# KiCad board V1.2.kicad_pcb (continued)
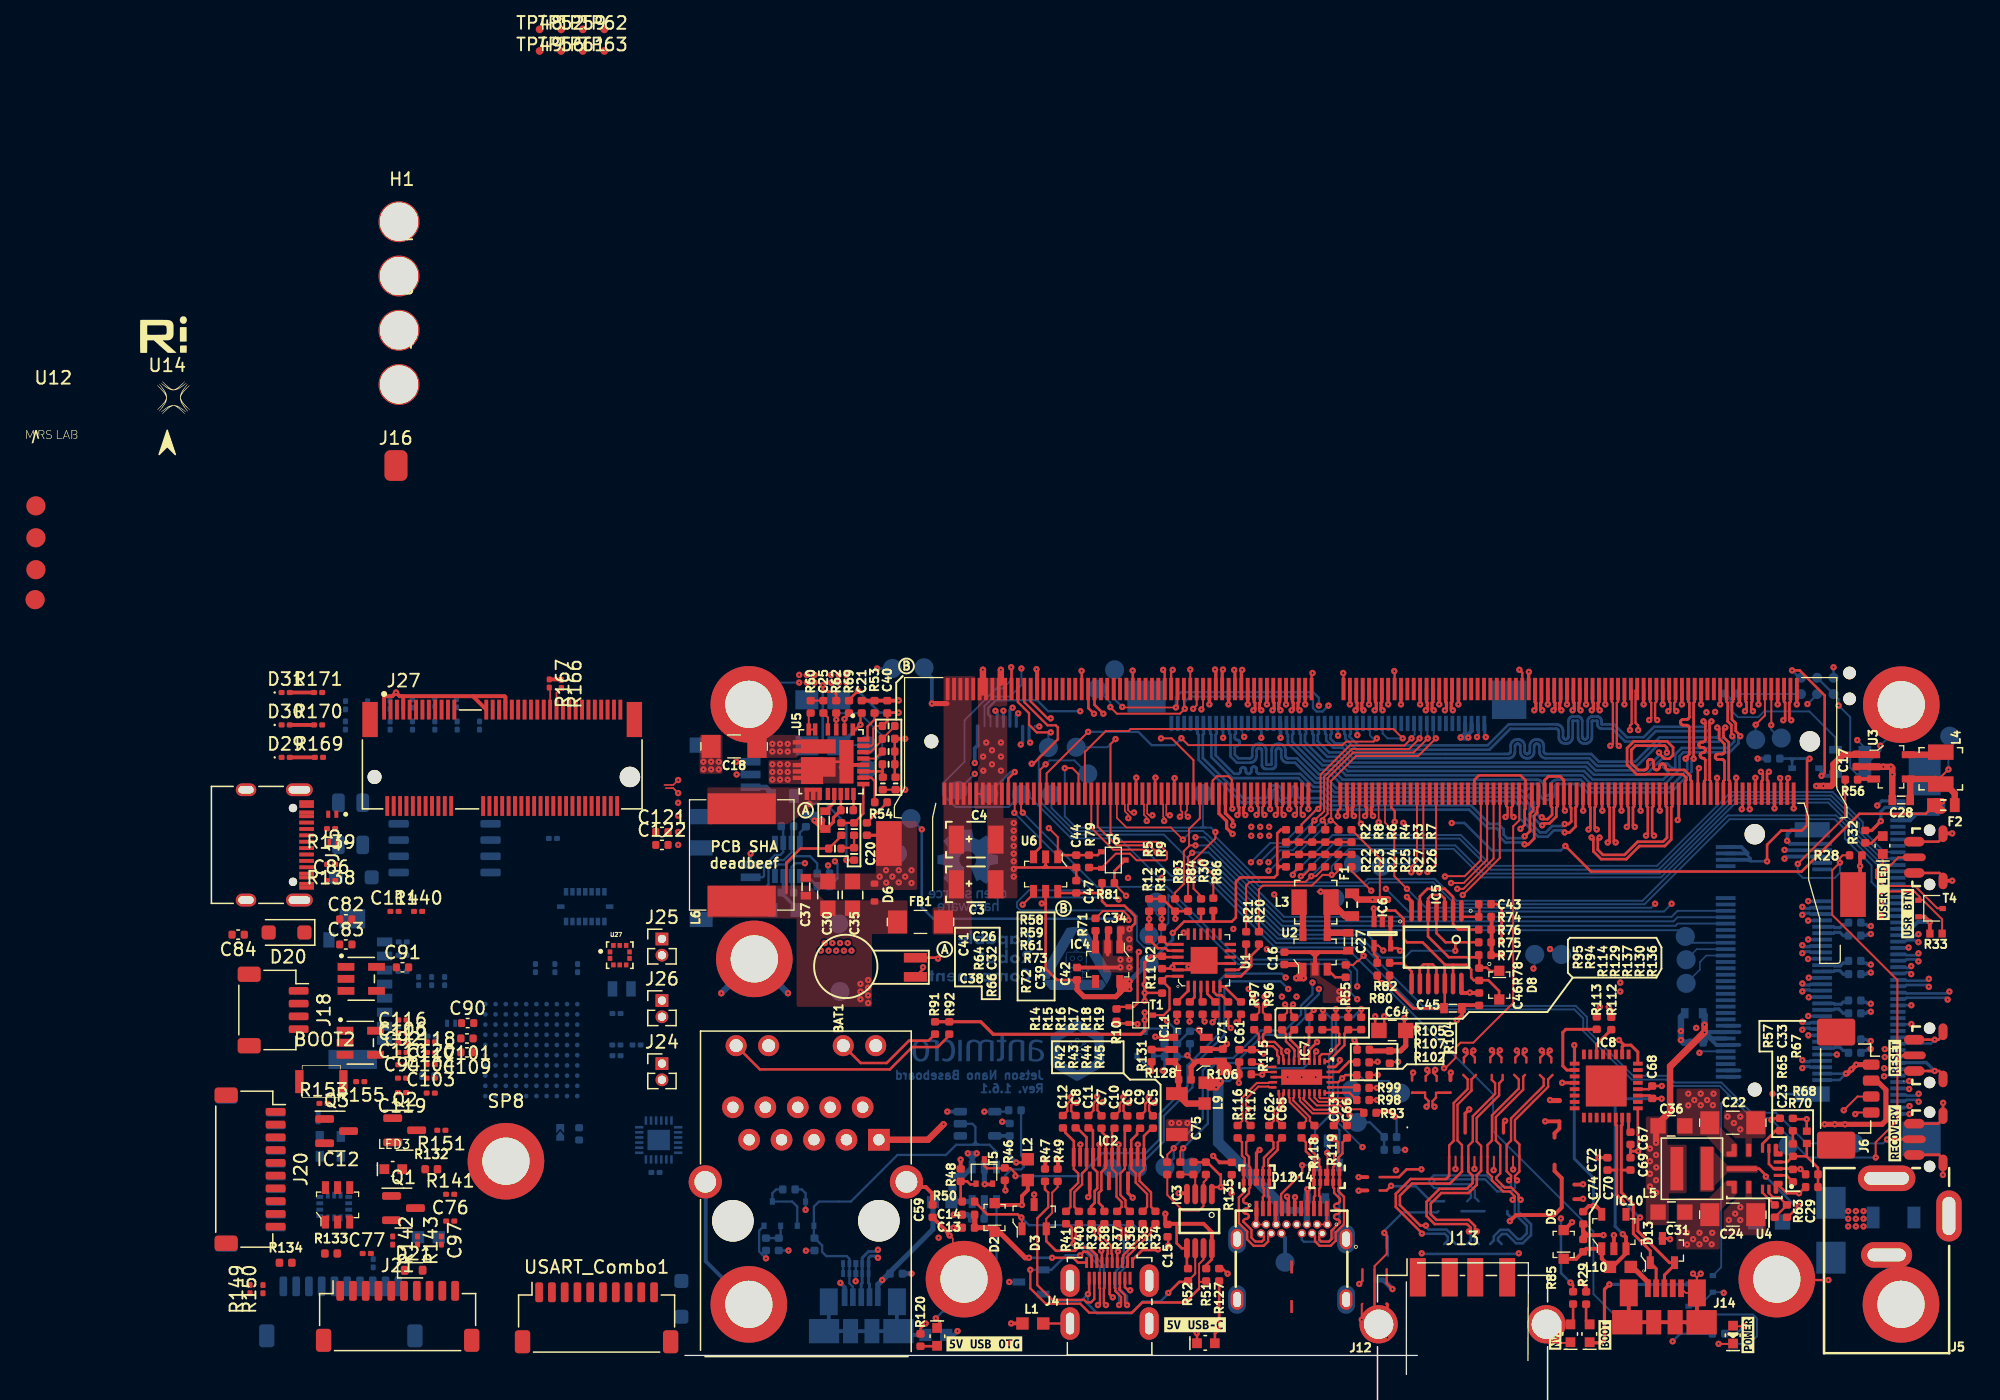
[diagram p0: board, top side]
## Copper pours and planes (outline as drawn; the poured copper is in the pictures)
3V3_SYS on Top: 76.94,18 78.44,18 78.44,14.2 77.04,14.2 77.04,11.7 75.24,11.7 75.24,20.2 76.94,20.2
3V3_SYS on Bottom: 84.5,40.27 84.5,23.1 82.44,23.1 82.5,41.47 83,41.47
3V3_SYS on Bottom: 77.04,13.85 75.24,13.85 75.24,19.75 77.04,19.75
3V3_SYS on Bottom: 14.74,37.8 18.14,37.8 18.14,29.9 35.14,29.9 35.14,30.9 36.34,30.9 36.34,27.4 33.54,27.4 32.84,28.1 14.94,28.1 14.94,31.4 14.14,32.2 14.14,36.6 10.14,36.6 9.34,35.8 8.14,35.8 8.14,37 9.14,37 9.74,37.6 12.64,37.6 12.64,44.5 8.14,44.5 8.14,46 14.74,46
3V3_SYS on In5_3V3_SYS_SIGNAL.Cu: 76.74,13.8 76.74,21.5 73.54,24.7 59.24,24.7 56.84,27.09 41.7,27.09 39.34,29.43 39.34,35.73 38.8,36.27 35.64,36.27 35.34,36 35.34,25.5 38.79,22.05 38.81,15.27 39.79,14.27 42.06,14.27 43.1,15.28 43.1,16.35 45.11,18.36 69.94,18.4 74.54,13.8
5V0_SYS on Top: 10.89,37.15 17.44,37.15 17.44,34.5 14.64,34.5 14.64,28.8 8.74,28.8 8.74,35.7 1.74,35.8 1.74,38.3 9.74,38.3
5V0_SYS on Top: 35.1,32.99 33.8,32.99 33.8,35.19 35.1,35.19
5V0_SYS on Bottom: 10.95,28.76 14.64,28.76 14.64,31.22 10.95,31.22
5V0_SYS on In1.Cu: 63.46,51.89 88.84,51.8 88.84,47.7 90.67,45.9 90.67,45.08 90.68,45.04 90.69,45 90.72,44.97 90.75,44.95 90.79,44.93 90.83,44.93 93.89,44.93 94.03,44.79 94.03,43.11 93.89,42.97 90.83,42.97 90.79,42.96 90.75,42.95 90.72,42.92 90.69,42.89 90.68,42.85 90.67,42.82 90.68,42.8 90.68,21.33 90.68,21.29 90.7,21.25 90.72,21.22 91.29,20.66 91.29,19.06 89.09,16.87 89.07,16.84 89.05,16.8 89.05,16.76 89.05,2 66.66,2 66.66,8.89 66.65,8.98 66.62,9.08 66.57,9.17 66.51,9.25 66.43,9.31 66.34,9.36 66.25,9.39 66.15,9.4 64.79,9.4 64.79,9.39 58.59,9.39 58.59,9.4 57.26,9.4 57.16,9.39 57.06,9.36 56.97,9.31 56.9,9.25 56.83,9.17 56.79,9.08 56.76,8.98 56.75,8.89 56.75,2 0.51,2 0.51,47.4 8.54,47.4 8.54,32.6 14.94,32.6 14.94,51.89
/Supply/3V3_SW on Top: 80.64,17.4 81.64,16.4 84.04,16.4 84.04,15.8 81.64,15.8 80.64,14.8 80.64,14.3 79.44,14.3 79.44,17.9 80.64,17.9
/Supply/3V3_VIN on Top: 81.34,12.8 82.24,13.7 83.04,13.7 83.04,15.2 83.54,15.2 83.54,13.7 84.64,13.7 84.64,10.9 81.34,10.9
/Supply/3V3_VIN on Top: 84.64,18.5 83.54,18.5 83.54,17 83.04,17 83.04,18.5 82.24,18.5 81.34,19.4 81.34,20.7 84.64,20.7
/Supply/3V3_VIN on Bottom: 84.64,10.9 81.39,10.9 81.39,13.7 84.64,13.7
/Supply/3V3_VIN on In5_3V3_SYS_SIGNAL.Cu: 83.04,11.8 81.34,11.8 81.34,20.5 83.04,20.5
/Supply/5V_SW on Top: 10.74,45 8.04,43.1 1.74,43.1 1.74,46 10.74,46
/Supply/5V_VIN on Top: 9.24,49.75 11.79,49.75 11.79,48.65 9.07,48.65 8.72,48.3 4.89,48.3 4.89,50.1 8.89,50.1
/Supply/5V_VIN on Bottom: 12.94,48.5 6.54,48.5 6.54,49.75 6.94,50 12.94,50
GND on Top: 2.94,50.1 1.14,50.1 1.14,47.05 2.94,47.05
GND on Top: 13.19,46.3 10.94,46.3 10.89,46.25 6.54,46.25 6.54,48.15 8.89,48.15 9.09,48.35 11.94,48.35 12.09,48.5 12.09,49.7 13.19,49.7
GND on Top: 18.19,37.95 10.44,37.95 9.84,38.55 9.04,38.55 9.04,39.25 14.94,39.25 14.94,43.35 18.19,43.35
GND on Top: 49.74,31.2 51.04,30.3 52.14,30.3 52.14,29.1 49.94,29.1 49.94,30 48.94,30.9 48.94,32.4 49.74,32.4
GND on Top: 80.14,13.8 81.54,15.2 82.44,15.2 82.44,14.2 81.04,12.8 81.04,9.8 77.64,9.8 77.64,13.8
GND on Top: 81.04,19.4 82.44,18 82.44,17 81.44,17 79.94,18.7 77.64,18.7 77.64,22.4 81.04,22.4
GND on Top: 33.5,32.79 35.1,32.79 35.1,31.49 32.7,31.49 32.7,34.09 33.5,34.09
GND on Top: 25.23,54.57 22.94,54.57 22.94,46.5 22.64,46.5 22.64,44.3 23.64,44.3 23.64,37.3 26.04,37.3 26.04,43.6 24.94,43.6 24.94,46.7 25.24,47
GND on Top: 39.64,18.25 37.64,18.25 37.64,20 39.64,20
GND on Bottom: 10.44,52.1 8.64,52.1 8.64,55.15 10.44,55.15
GND on Bottom: 6.14,35 0.34,35 0.34,50 6.14,50
GND on Bottom: 80.84,19.2 77.79,19.2 77.79,22.3 80.84,22.3
GND on Bottom: 100.24,7.4 88.44,7.4 88.44,10.7 97.74,10.7 97.74,14.7 100.24,14.7
GND on Bottom: 18.19,37.95 14.94,37.95 14.94,41.8 18.19,41.8
GND on In3_SIGNAL.Cu: 59.04,49.6 40.34,49.6 40.34,53.8 59.04,53.8
GND on In3_SIGNAL.Cu: 46.14,31.4 47.54,30 49.34,30 49.34,11.6 46.34,11.6 42.44,15.5 42.44,26.3 38.74,30 38.74,42.1 39.74,43.1 39.74,45.5 39.94,45.7 46.14,45.7
GND on In4_GND.Cu: 100.22,2 66.66,2 66.66,8.89 66.65,8.98 66.62,9.08 66.57,9.17 66.51,9.25 66.43,9.31 66.34,9.36 66.25,9.39 66.15,9.4 64.79,9.4 64.79,9.99 58.59,9.99 58.59,9.4 57.26,9.4 57.16,9.39 57.06,9.36 56.97,9.31 56.9,9.25 56.83,9.17 56.79,9.08 56.76,8.98 56.75,8.89 56.75,2 39.02,2 39.02,9.24 39.01,9.34 39,10.09 38.8,10.29 38.75,10.29 28.05,10.24 28.02,12.39 28.01,12.44 27.98,12.48 27.94,12.51 27.89,12.52 25.99,12.52 25.94,12.51 25.9,12.48 25.88,12.44 25.87,12.39 25.87,2 18.78,2 19.4,2.62 19.42,2.65 19.43,2.69 19.43,26.52 19.44,26.54 19.45,26.59 19.44,26.64 19.42,26.68 19.37,26.71 19.33,26.72 0.51,26.72 0.51,55.98 100.22,55.98
GND on In6_GND.Cu: 100.24,2 66.68,2 66.68,8.89 66.67,8.98 66.64,9.08 66.59,9.17 66.53,9.25 66.45,9.31 66.36,9.36 66.27,9.39 66.17,9.4 64.81,9.4 64.81,9.99 58.61,9.99 58.61,9.4 57.28,9.4 57.18,9.39 57.08,9.36 56.99,9.31 56.92,9.25 56.85,9.17 56.8,9.08 56.78,8.98 56.77,8.89 56.77,2 39.04,2 39.04,9.29 39.03,9.34 39,9.38 38.8,9.58 38.76,9.61 38.71,9.62 28.04,9.62 28.04,12.39 28.03,12.44 28,12.48 27.96,12.51 27.91,12.52 26.01,12.52 25.96,12.51 25.92,12.48 25.9,12.44 25.89,12.39 25.89,2 6.14,2 6.04,13.1 19.74,13.1 19.74,27.12 0.53,27.12 0.53,55.98 100.24,55.98
VDD_MOD on Top: 22.44,34.45 19.39,34.45 19.39,36.6 20.24,36.6 20.24,54.7 22.74,54.7 22.74,52.8 22.44,52.8
VIN on Bottom: 12.94,52.1 11.14,52.1 11.14,55.15 12.94,55.15
VIN on Bottom: 10.38,32.82 13.8,32.82 13.8,36.33 10.38,36.33
VIN on Bottom: 90.79,13.2 93.64,13.2 93.64,11.2 85.19,11.2 85.19,12.8 88.69,12.8 88.69,14.7 90.79,14.7
VIN on In1.Cu: 100.22,2 89.35,2 89.35,16.7 91.54,18.89 91.57,18.93 91.58,18.96 91.59,19 91.59,20.72 91.58,20.76 91.57,20.79 91.54,20.82 90.98,21.39 90.98,42.66 93.95,42.66 93.99,42.67 94.03,42.68 94.06,42.71 94.29,42.94 94.31,42.97 94.33,43.01 94.33,43.04 94.33,44.85 94.33,44.89 94.31,44.92 94.29,44.96 94.06,45.18 94.03,45.21 93.99,45.22 93.95,45.23 90.98,45.23 90.98,45.97 90.97,46.01 90.96,46.04 90.93,46.07 89.21,47.79 89.18,47.82 89.15,47.83 89.11,52.1 63.61,51.99 63.07,52.01 60.98,52.01 60.42,52.04 14.54,52.3 14.54,33 8.94,33 8.94,47.64 8.93,47.68 8.92,47.72 8.89,47.75 8.86,47.77 8.82,47.79 8.79,47.79 0.51,47.79 0.51,55.98 100.22,55.98
(no net) on In4_GND.Cu: 58.59,8.49 64.79,8.49 64.79,9.99 58.59,9.99
(no net) on In4_GND.Cu: 60.39,12.39 63.79,12.39 63.79,13.19 60.39,13.19
EGND on In4_GND.Cu: 19.22,2.73 18.49,2 0.51,2 0.51,26.46 19.22,26.46
EGND on In6_GND.Cu: 19.22,13.6 5.74,13.6 5.74,2 0.51,2 0.51,26.46 19.22,26.46
HDMI_SHIELD on In4_GND.Cu: 27.8,10.09 27.9,9.99 38.8,9.99 38.77,9.24 38.77,2 26.12,2 26.12,12.26 27.8,12.26
HDMI_SHIELD on In6_GND.Cu: 27.77,9.49 27.78,9.44 27.8,9.4 27.84,9.37 27.89,9.36 38.64,9.36 38.77,9.24 38.77,2 26.12,2 26.12,12.26 27.77,12.26
Net-(F3-Pad1) on Bottom: 96.94,11.25 94.29,11.25 94.29,13.85 91.69,13.85 91.69,16.5 96.94,16.5

## Text on the board
Bottom: Jetson Nano Baseboard / Rev. 1.6.1
B.Mask: Jetson Nano Baseboard / Rev. 1.6.1
B.Silkscreen: 1
User.Drawings: Recommended PCB finish: | Gold plating (ENIG, selective) | Solder mask: matt black | Silkscreen: white | The design includes high speed signaling | Suggested prepreg material is ISOLA PR2116 | Layer | 1 | 2 | 3 | 4 | 5 | 6 | 7 | 8 | 9 | 10 | 11 | 12 | 13 | 14 | 15 | 16 | 17 | Name | Top Solder | Top Layer | Dielectric 1 | Signal 1 | Dielectric 2 | Signal 2 | Dielectric 3 | Signal 3 | Dielectric 4 | Signal 4 | Dielectric 5 | Signal 5 | Dielectric 6 | Signal 6 | Dielectric 7 | Bottom Layer | Bottom Solder | Material | Solder Resist | Copper | Prepreg | FR-4 | Thickness | 0.02  mm | 0.018 mm | 0.12  mm | 0.035 mm | 0.2   mm | 0.24  mm | Constant | 3.5 | 4.2 | Recommended PCB stackup
F.Silkscreen: A | B | PCB SHA / deadbeef
